# Altium PCB top_INA_v3.PcbDoc (part 2 of 5) (continued)
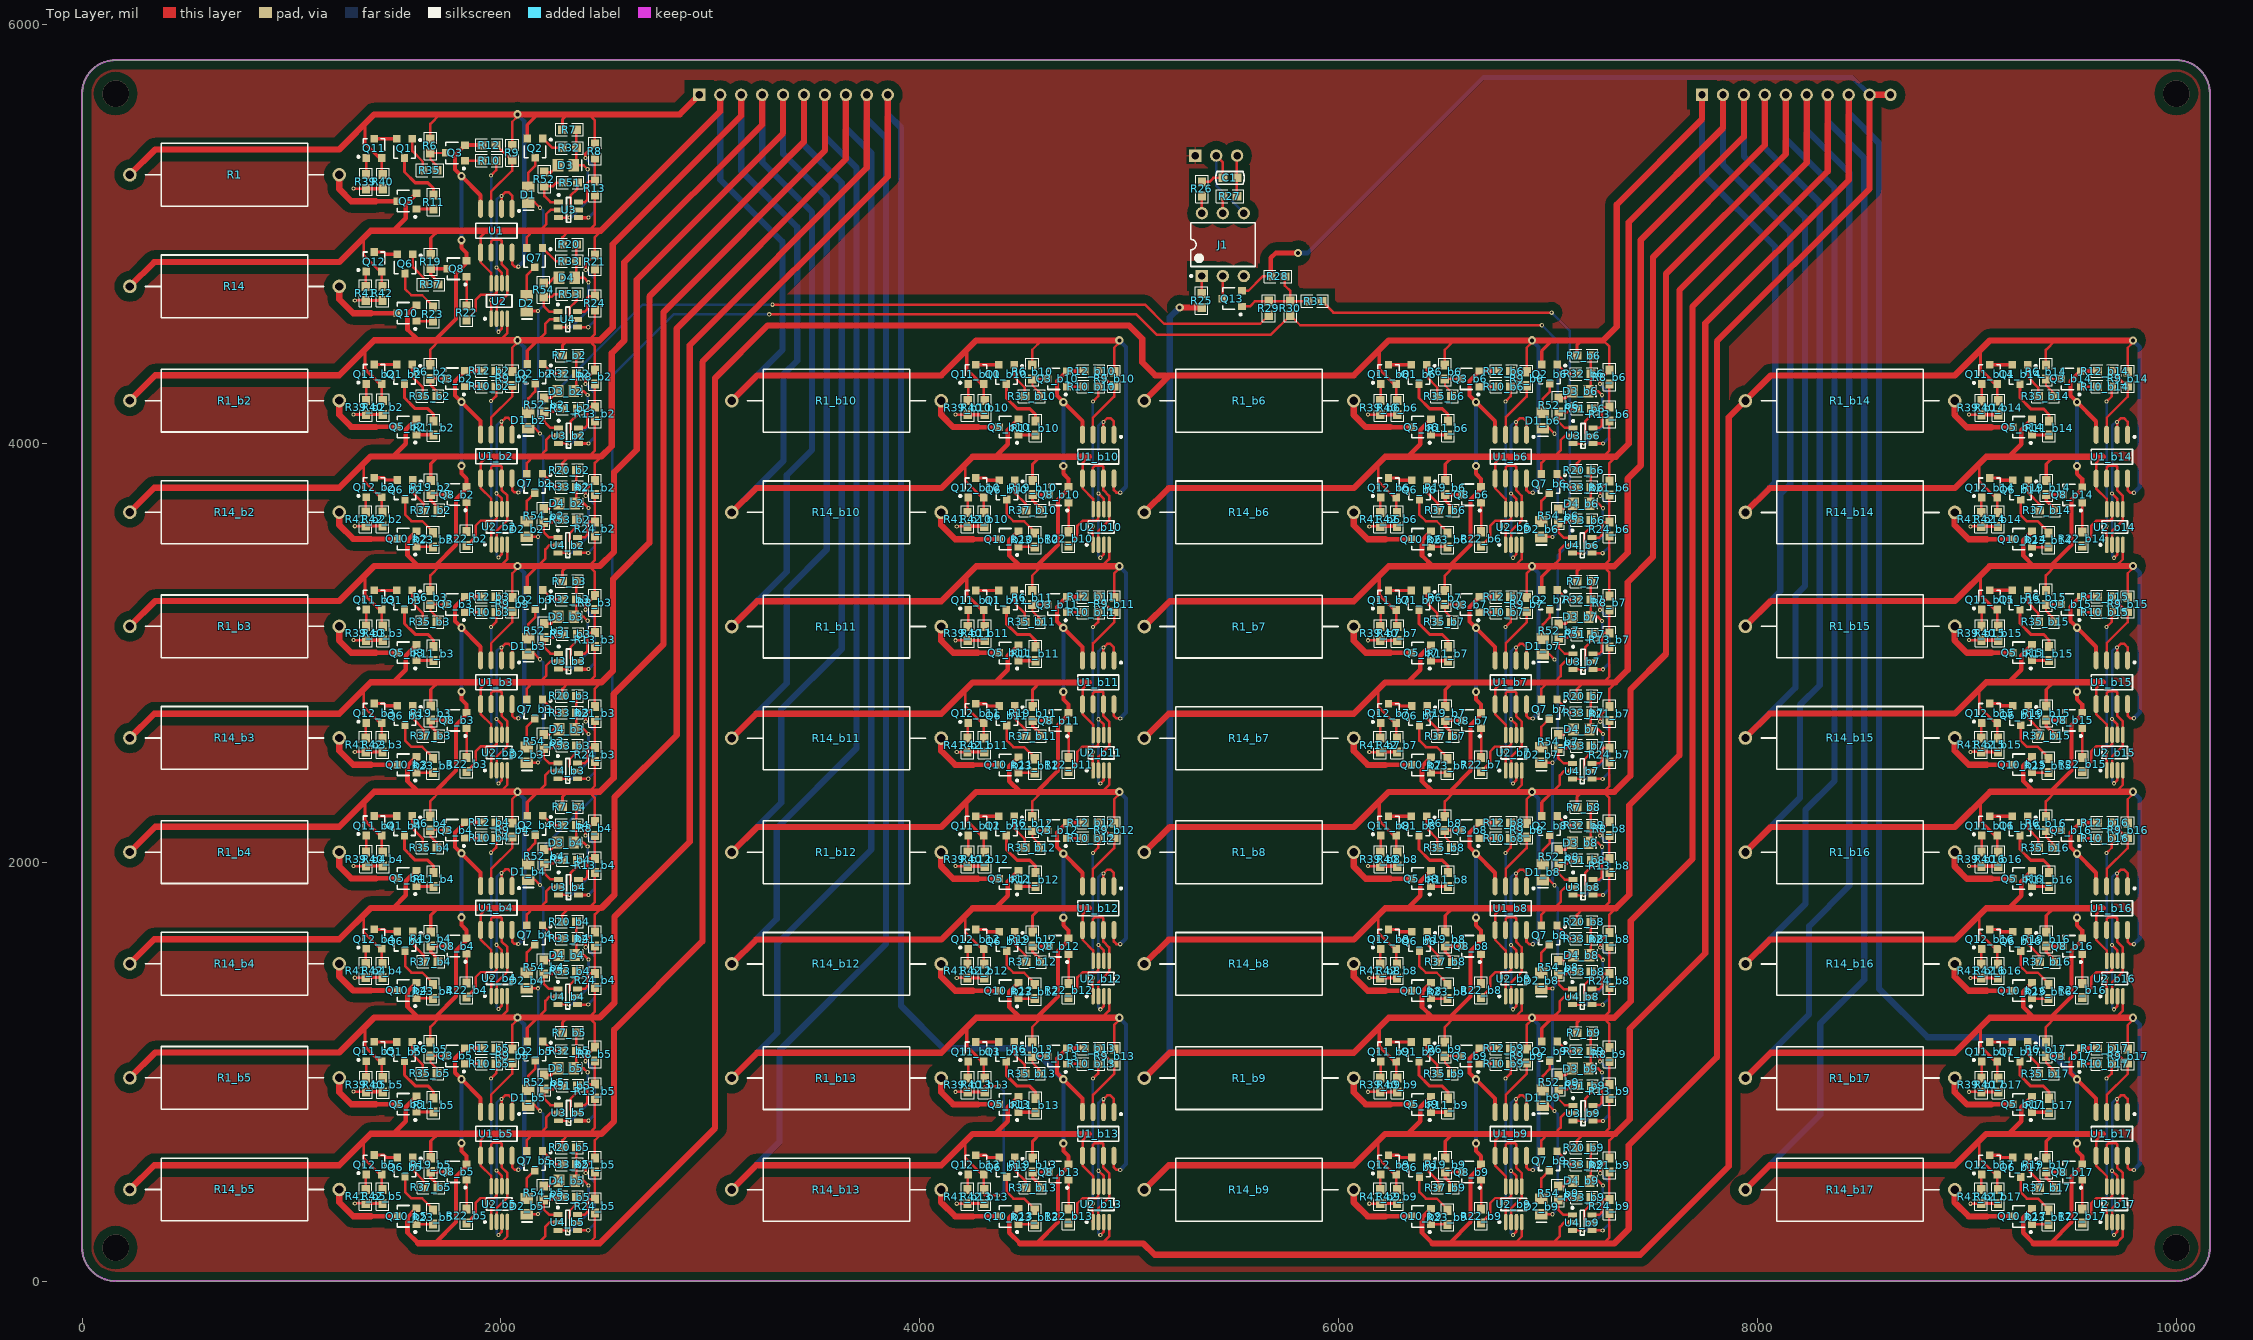
[diagram p0: Top Layer view]
## Nets (pads, with @x,y where several pads share a name; then routed paths per layer and width w, separated by ;. In a path a pad name is that pad's centre, name@x,y a point inside that pad or via, vN(x,y) a via of type N, cw(c..) or ccw(c..) an arc to the next point about the centre after c; other vN are vias at no path point) (continued)
  Top Layer w12: v1(4852.86,3760.61) 4878.65,3734.81 U2_b10.6@4878.65,3685.26 ; v1(4861.86,3453.61) 4878.65,3470.4 U2_b10.3@4878.65,3515.96 U2_b10.3@4879.39,3516.7 ; U1_b10.2@4876.86,4041.1 v1(4876.86,4102.61) 4894.86,4120.61 4909.86,4120.61 4926.86,4103.61 U1_b10.1@4926.86,4041.1
  Bottom Layer w12: v1(4861.86,3453.61) 4852.86,3462.61 v1(4852.86,3760.61) 4852.86,4084.61 4870.86,4102.61 v1(4876.86,4102.61)
G1_VC1_BUF_b11: U1_b11.1 U1_b11.2 U2_b11.3 U2_b11.6 | length 1011.1
  Top Layer w12: v1(4852.86,2682.61) 4878.65,2656.81 U2_b11.6@4878.65,2607.26 ; v1(4861.86,2375.61) 4878.65,2392.4 U2_b11.3@4878.65,2437.96 U2_b11.3@4879.39,2438.7 ; U1_b11.2@4876.86,2963.1 v1(4876.86,3024.61) 4894.86,3042.61 4909.86,3042.61 4926.86,3025.61 U1_b11.1@4926.86,2963.1
  Bottom Layer w12: v1(4861.86,2375.61) 4852.86,2384.61 v1(4852.86,2682.61) 4852.86,3006.61 4870.86,3024.61 v1(4876.86,3024.61)
G1_VC1_BUF_b12: U1_b12.1 U1_b12.2 U2_b12.3 U2_b12.6 | length 1011.1
  Top Layer w12: v1(4852.86,1604.61) 4878.65,1578.81 U2_b12.6@4878.65,1529.26 ; v1(4861.86,1297.61) 4878.65,1314.4 U2_b12.3@4878.65,1359.96 U2_b12.3@4879.39,1360.7 ; U1_b12.2@4876.86,1885.1 v1(4876.86,1946.61) 4894.86,1964.61 4909.86,1964.61 4926.86,1947.61 U1_b12.1@4926.86,1885.1
  Bottom Layer w12: v1(4861.86,1297.61) 4852.86,1306.61 v1(4852.86,1604.61) 4852.86,1928.61 4870.86,1946.61 v1(4876.86,1946.61)
G1_VC1_BUF_b13: U1_b13.1 U1_b13.2 U2_b13.3 U2_b13.6 | length 1011.1
  Top Layer w12: v1(4852.86,526.61) 4878.65,500.81 U2_b13.6@4878.65,451.26 ; v1(4861.86,219.61) 4878.65,236.4 U2_b13.3@4878.65,281.96 U2_b13.3@4879.39,282.7 ; U1_b13.2@4876.86,807.1 v1(4876.86,868.61) 4894.86,886.61 4909.86,886.61 4926.86,869.61 U1_b13.1@4926.86,807.1
  Bottom Layer w12: v1(4861.86,219.61) 4852.86,228.61 v1(4852.86,526.61) 4852.86,850.61 4870.86,868.61 v1(4876.86,868.61)
G1_VC1_BUF_b14: U1_b14.1 U1_b14.2 U2_b14.3 U2_b14.6 | length 1011.1
  Top Layer w12: v1(9692.86,3760.35) 9718.65,3734.55 U2_b14.6@9718.65,3685 ; v1(9701.86,3453.35) 9718.65,3470.14 U2_b14.3@9718.65,3515.7 U2_b14.3@9719.39,3516.44 ; U1_b14.2@9716.86,4040.84 v1(9716.86,4102.35) 9734.86,4120.35 9749.86,4120.35 9766.86,4103.35 U1_b14.1@9766.86,4040.84
  Bottom Layer w12: v1(9701.86,3453.35) 9692.86,3462.35 v1(9692.86,3760.35) 9692.86,4084.35 9710.86,4102.35 v1(9716.86,4102.35)
G1_VC1_BUF_b15: U1_b15.1 U1_b15.2 U2_b15.3 U2_b15.6 | length 1011.1
  Top Layer w12: v1(9692.86,2683.61) 9718.65,2657.81 U2_b15.6@9718.65,2608.26 ; v1(9701.86,2376.61) 9718.65,2393.4 U2_b15.3@9718.65,2438.96 U2_b15.3@9719.39,2439.7 ; U1_b15.2@9716.86,2964.1 v1(9716.86,3025.61) 9734.86,3043.61 9749.86,3043.61 9766.86,3026.61 U1_b15.1@9766.86,2964.1
  Bottom Layer w12: v1(9701.86,2376.61) 9692.86,2385.61 v1(9692.86,2683.61) 9692.86,3007.61 9710.86,3025.61 v1(9716.86,3025.61)
G1_VC1_BUF_b16: U1_b16.1 U1_b16.2 U2_b16.3 U2_b16.6 | length 1011.1
  Top Layer w12: v1(9692.86,1604.61) 9718.65,1578.81 U2_b16.6@9718.65,1529.26 ; v1(9701.86,1297.61) 9718.65,1314.4 U2_b16.3@9718.65,1359.96 U2_b16.3@9719.39,1360.7 ; U1_b16.2@9716.86,1885.1 v1(9716.86,1946.61) 9734.86,1964.61 9749.86,1964.61 9766.86,1947.61 U1_b16.1@9766.86,1885.1
  Bottom Layer w12: v1(9701.86,1297.61) 9692.86,1306.61 v1(9692.86,1604.61) 9692.86,1928.61 9710.86,1946.61 v1(9716.86,1946.61)
G1_VC1_BUF_b17: U1_b17.1 U1_b17.2 U2_b17.3 U2_b17.6 | length 1011.1
  Top Layer w12: v1(9692.86,526.61) 9718.65,500.81 U2_b17.6@9718.65,451.26 ; v1(9701.86,219.61) 9718.65,236.4 U2_b17.3@9718.65,281.96 U2_b17.3@9719.39,282.7 ; U1_b17.2@9716.86,807.1 v1(9716.86,868.61) 9734.86,886.61 9749.86,886.61 9766.86,869.61 U1_b17.1@9766.86,807.1
  Bottom Layer w12: v1(9701.86,219.61) 9692.86,228.61 v1(9692.86,526.61) 9692.86,850.61 9710.86,868.61 v1(9716.86,868.61)
G1_VC1_DISCH: R10.2 U2.1 | length 765.4
  Top Layer w12: v1(1952.86,4683.61) 1952.86,4595.58 U2.1@1953.47,4594.96 ; v1(1952.86,5279.61) 1977.19,5303.94 R10.2@1977.19,5350.01
  Bottom Layer w12: v1(1952.86,4683.61) v1(1952.86,5279.61)
G1_VC1_DISCH_b2: R10_b2.2 U2_b2.1 | length 765.4
  Top Layer w12: v1(1952.87,3605.54) 1952.87,3517.5 U2_b2.1@1953.48,3516.89 ; v1(1952.87,4201.54) 1977.2,4225.87 R10_b2.2@1977.2,4271.94
  Bottom Layer w12: v1(1952.87,3605.54) v1(1952.87,4201.54)
G1_VC1_DISCH_b3: R10_b3.2 U2_b3.1 | length 765.4
  Top Layer w12: v1(1952.87,2527.54) 1952.87,2439.5 U2_b3.1@1953.48,2438.89 ; v1(1952.87,3123.54) 1977.2,3147.87 R10_b3.2@1977.2,3193.94
  Bottom Layer w12: v1(1952.87,2527.54) v1(1952.87,3123.54)
G1_VC1_DISCH_b4: R10_b4.2 U2_b4.1 | length 765.4
  Top Layer w12: v1(1952.87,1449.54) 1952.87,1361.5 U2_b4.1@1953.48,1360.89 ; v1(1952.87,2045.54) 1977.2,2069.87 R10_b4.2@1977.2,2115.94
  Bottom Layer w12: v1(1952.87,1449.54) v1(1952.87,2045.54)
G1_VC1_DISCH_b5: R10_b5.2 U2_b5.1 | length 765.4
  Top Layer w12: v1(1952.87,371.54) 1952.87,283.5 U2_b5.1@1953.48,282.89 ; v1(1952.87,967.54) 1977.2,991.87 R10_b5.2@1977.2,1037.94
  Bottom Layer w12: v1(1952.87,371.54) v1(1952.87,967.54)
G1_VC1_DISCH_b6: R10_b6.2 U2_b6.1 | length 765.4
  Top Layer w12: v1(6796.86,3604.61) 6796.86,3516.58 U2_b6.1@6797.47,3515.96 ; v1(6796.86,4200.61) 6821.19,4224.94 R10_b6.2@6821.19,4271.01
  Bottom Layer w12: v1(6796.86,3604.61) v1(6796.86,4200.61)
G1_VC1_DISCH_b7: R10_b7.2 U2_b7.1 | length 765.4
  Top Layer w12: v1(6796.86,2526.61) 6796.86,2438.58 U2_b7.1@6797.47,2437.96 ; v1(6796.86,3122.61) 6821.19,3146.94 R10_b7.2@6821.19,3193.01
  Bottom Layer w12: v1(6796.86,2526.61) v1(6796.86,3122.61)
G1_VC1_DISCH_b8: R10_b8.2 U2_b8.1 | length 765.4
  Top Layer w12: v1(6796.86,1448.61) 6796.86,1360.58 U2_b8.1@6797.47,1359.96 ; v1(6796.86,2044.61) 6821.19,2068.94 R10_b8.2@6821.19,2115.01
  Bottom Layer w12: v1(6796.86,1448.61) v1(6796.86,2044.61)
G1_VC1_DISCH_b9: R10_b9.2 U2_b9.1 | length 765.4
  Top Layer w12: v1(6796.86,370.61) 6796.86,282.58 U2_b9.1@6797.47,281.96 ; v1(6796.86,966.61) 6821.19,990.94 R10_b9.2@6821.19,1037.01
  Bottom Layer w12: v1(6796.86,370.61) v1(6796.86,966.61)
G1_VC1_DISCH_b10: R10_b10.2 U2_b10.1 | length 765.4
  Top Layer w12: v1(4826.86,3604.61) 4826.86,3516.58 U2_b10.1@4827.47,3515.96 ; v1(4826.86,4200.61) 4851.19,4224.94 R10_b10.2@4851.19,4271.01
  Bottom Layer w12: v1(4826.86,3604.61) v1(4826.86,4200.61)
G1_VC1_DISCH_b11: R10_b11.2 U2_b11.1 | length 765.4
  Top Layer w12: v1(4826.86,2526.61) 4826.86,2438.58 U2_b11.1@4827.47,2437.96 ; v1(4826.86,3122.61) 4851.19,3146.94 R10_b11.2@4851.19,3193.01
  Bottom Layer w12: v1(4826.86,2526.61) v1(4826.86,3122.61)
G1_VC1_DISCH_b12: R10_b12.2 U2_b12.1 | length 765.4
  Top Layer w12: v1(4826.86,1448.61) 4826.86,1360.58 U2_b12.1@4827.47,1359.96 ; v1(4826.86,2044.61) 4851.19,2068.94 R10_b12.2@4851.19,2115.01
  Bottom Layer w12: v1(4826.86,1448.61) v1(4826.86,2044.61)
G1_VC1_DISCH_b13: R10_b13.2 U2_b13.1 | length 765.4
  Top Layer w12: v1(4826.86,370.61) 4826.86,282.58 U2_b13.1@4827.47,281.96 ; v1(4826.86,966.61) 4851.19,990.94 R10_b13.2@4851.19,1037.01
  Bottom Layer w12: v1(4826.86,370.61) v1(4826.86,966.61)
G1_VC1_DISCH_b14: R10_b14.2 U2_b14.1 | length 765.4
  Top Layer w12: v1(9666.86,3604.35) 9666.86,3516.32 U2_b14.1@9667.47,3515.7 ; v1(9666.86,4200.35) 9691.19,4224.68 R10_b14.2@9691.19,4270.75
  Bottom Layer w12: v1(9666.86,3604.35) v1(9666.86,4200.35)
G1_VC1_DISCH_b15: R10_b15.2 U2_b15.1 | length 765.4
  Top Layer w12: v1(9666.86,2527.61) 9666.86,2439.58 U2_b15.1@9667.47,2438.96 ; v1(9666.86,3123.61) 9691.19,3147.94 R10_b15.2@9691.19,3194.01
  Bottom Layer w12: v1(9666.86,2527.61) v1(9666.86,3123.61)
G1_VC1_DISCH_b16: R10_b16.2 U2_b16.1 | length 765.4
  Top Layer w12: v1(9666.86,1448.61) 9666.86,1360.58 U2_b16.1@9667.47,1359.96 ; v1(9666.86,2044.61) 9691.19,2068.94 R10_b16.2@9691.19,2115.01
  Bottom Layer w12: v1(9666.86,1448.61) v1(9666.86,2044.61)
G1_VC1_DISCH_b17: R10_b17.2 U2_b17.1 | length 765.4
  Top Layer w12: v1(9666.86,370.61) 9666.86,282.58 U2_b17.1@9667.47,281.96 ; v1(9666.86,966.61) 9691.19,990.94 R10_b17.2@9691.19,1037.01
  Bottom Layer w12: v1(9666.86,370.61) v1(9666.86,966.61)
G1_VC1_VOL: R9.1 R12.2 U1.3 | length 381.5
  Top Layer w12: U1.3@1952.86,5120.1 1952.86,5201.61 2053.86,5302.61 R9.1@2053.86,5354.14 2047.06,5354.14 R12.2@1977.19,5424.01
G1_VC1_VOL_b2: R9_b2.1 R12_b2.2 U1_b2.3 | length 381.5
  Top Layer w12: U1_b2.3@1952.87,4042.02 1952.87,4123.54 2053.87,4224.54 R9_b2.1@2053.87,4276.07 2047.06,4276.07 R12_b2.2@1977.2,4345.94
G1_VC1_VOL_b3: R9_b3.1 R12_b3.2 U1_b3.3 | length 381.5
  Top Layer w12: U1_b3.3@1952.87,2964.02 1952.87,3045.54 2053.87,3146.54 R9_b3.1@2053.87,3198.07 2047.06,3198.07 R12_b3.2@1977.2,3267.94
G1_VC1_VOL_b4: R9_b4.1 R12_b4.2 U1_b4.3 | length 381.5
  Top Layer w12: U1_b4.3@1952.87,1886.02 1952.87,1967.54 2053.87,2068.54 R9_b4.1@2053.87,2120.07 2047.06,2120.07 R12_b4.2@1977.2,2189.94
G1_VC1_VOL_b5: R9_b5.1 R12_b5.2 U1_b5.3 | length 381.5
  Top Layer w12: U1_b5.3@1952.87,808.02 1952.87,889.54 2053.87,990.54 R9_b5.1@2053.87,1042.07 2047.06,1042.07 R12_b5.2@1977.2,1111.94
G1_VC1_VOL_b6: R9_b6.1 R12_b6.2 U1_b6.3 | length 381.5
  Top Layer w12: U1_b6.3@6796.86,4041.1 6796.86,4122.61 6897.86,4223.61 R9_b6.1@6897.86,4275.14 6891.06,4275.14 R12_b6.2@6821.19,4345.01
G1_VC1_VOL_b7: R9_b7.1 R12_b7.2 U1_b7.3 | length 381.5
  Top Layer w12: U1_b7.3@6796.86,2963.1 6796.86,3044.61 6897.86,3145.61 R9_b7.1@6897.86,3197.14 6891.06,3197.14 R12_b7.2@6821.19,3267.01
G1_VC1_VOL_b8: R9_b8.1 R12_b8.2 U1_b8.3 | length 381.5
  Top Layer w12: U1_b8.3@6796.86,1885.1 6796.86,1966.61 6897.86,2067.61 R9_b8.1@6897.86,2119.14 6891.06,2119.14 R12_b8.2@6821.19,2189.01
G1_VC1_VOL_b9: R9_b9.1 R12_b9.2 U1_b9.3 | length 381.5
  Top Layer w12: U1_b9.3@6796.86,807.1 6796.86,888.61 6897.86,989.61 R9_b9.1@6897.86,1041.14 6891.06,1041.14 R12_b9.2@6821.19,1111.01
G1_VC1_VOL_b10: R9_b10.1 R12_b10.2 U1_b10.3 | length 381.5
  Top Layer w12: U1_b10.3@4826.86,4041.1 4826.86,4122.61 4927.86,4223.61 R9_b10.1@4927.86,4275.14 4921.06,4275.14 R12_b10.2@4851.19,4345.01
G1_VC1_VOL_b11: R9_b11.1 R12_b11.2 U1_b11.3 | length 381.5
  Top Layer w12: U1_b11.3@4826.86,2963.1 4826.86,3044.61 4927.86,3145.61 R9_b11.1@4927.86,3197.14 4921.06,3197.14 R12_b11.2@4851.19,3267.01
G1_VC1_VOL_b12: R9_b12.1 R12_b12.2 U1_b12.3 | length 381.5
  Top Layer w12: U1_b12.3@4826.86,1885.1 4826.86,1966.61 4927.86,2067.61 R9_b12.1@4927.86,2119.14 4921.06,2119.14 R12_b12.2@4851.19,2189.01
G1_VC1_VOL_b13: R9_b13.1 R12_b13.2 U1_b13.3 | length 381.5
  Top Layer w12: U1_b13.3@4826.86,807.1 4826.86,888.61 4927.86,989.61 R9_b13.1@4927.86,1041.14 4921.06,1041.14 R12_b13.2@4851.19,1111.01
G1_VC1_VOL_b14: R9_b14.1 R12_b14.2 U1_b14.3 | length 381.5
  Top Layer w12: U1_b14.3@9666.86,4040.84 9666.86,4122.35 9767.86,4223.35 R9_b14.1@9767.86,4274.89 9761.06,4274.89 R12_b14.2@9691.19,4344.75
G1_VC1_VOL_b15: R9_b15.1 R12_b15.2 U1_b15.3 | length 381.5
  Top Layer w12: U1_b15.3@9666.86,2964.1 9666.86,3045.61 9767.86,3146.61 R9_b15.1@9767.86,3198.14 9761.06,3198.14 R12_b15.2@9691.19,3268.01
G1_VC1_VOL_b16: R9_b16.1 R12_b16.2 U1_b16.3 | length 381.5
  Top Layer w12: U1_b16.3@9666.86,1885.1 9666.86,1966.61 9767.86,2067.61 R9_b16.1@9767.86,2119.14 9761.06,2119.14 R12_b16.2@9691.19,2189.01
G1_VC1_VOL_b17: R9_b17.1 R12_b17.2 U1_b17.3 | length 381.5
  Top Layer w12: U1_b17.3@9666.86,807.1 9666.86,888.61 9767.86,989.61 R9_b17.1@9767.86,1041.14 9761.06,1041.14 R12_b17.2@9691.19,1111.01
G1_VC2_BUF: U1.6 U1.7 U2.2 U2.5 | length 512.1
  Top Layer w12: U1.6@1952.86,4911.12 1952.86,4963.61 1960.86,4971.61 1997.86,4971.61 2002.86,4966.61 U1.7@2002.86,4911.12 2002.86,4855.61 2030.24,4828.22 U2.5@2030.24,4764.26 2030.24,4711 1979.06,4659.81 U2.2@1979.06,4594.96
G1_VC2_BUF_b2: U1_b2.6 U1_b2.7 U2_b2.2 U2_b2.5 | length 512.1
  Top Layer w12: U1_b2.6@1952.87,3833.05 1952.87,3885.54 1960.87,3893.54 1997.87,3893.54 2002.87,3888.54 U1_b2.7@2002.87,3833.05 2002.87,3777.54 2030.25,3750.15 U2_b2.5@2030.25,3686.18 2030.25,3632.92 1979.07,3581.74 U2_b2.2@1979.07,3516.89
G1_VC2_BUF_b3: U1_b3.6 U1_b3.7 U2_b3.2 U2_b3.5 | length 512.1
  Top Layer w12: U1_b3.6@1952.87,2755.05 1952.87,2807.54 1960.87,2815.54 1997.87,2815.54 2002.87,2810.54 U1_b3.7@2002.87,2755.05 2002.87,2699.54 2030.25,2672.15 U2_b3.5@2030.25,2608.18 2030.25,2554.92 1979.07,2503.74 U2_b3.2@1979.07,2438.89
G1_VC2_BUF_b4: U1_b4.6 U1_b4.7 U2_b4.2 U2_b4.5 | length 512.1
  Top Layer w12: U1_b4.6@1952.87,1677.05 1952.87,1729.54 1960.87,1737.54 1997.87,1737.54 2002.87,1732.54 U1_b4.7@2002.87,1677.05 2002.87,1621.54 2030.25,1594.15 U2_b4.5@2030.25,1530.18 2030.25,1476.92 1979.07,1425.74 U2_b4.2@1979.07,1360.89
G1_VC2_BUF_b5: U1_b5.6 U1_b5.7 U2_b5.2 U2_b5.5 | length 512.1
  Top Layer w12: U1_b5.6@1952.87,599.05 1952.87,651.54 1960.87,659.54 1997.87,659.54 2002.87,654.54 U1_b5.7@2002.87,599.05 2002.87,543.54 2030.25,516.15 U2_b5.5@2030.25,452.18 2030.25,398.92 1979.07,347.74 U2_b5.2@1979.07,282.89
G1_VC2_BUF_b6: U1_b6.6 U1_b6.7 U2_b6.2 U2_b6.5 | length 512.1
  Top Layer w12: U1_b6.6@6796.86,3832.12 6796.86,3884.61 6804.86,3892.61 6841.86,3892.61 6846.86,3887.61 U1_b6.7@6846.86,3832.12 6846.86,3776.61 6874.24,3749.22 U2_b6.5@6874.24,3685.26 6874.24,3632 6823.06,3580.81 U2_b6.2@6823.06,3515.96
G1_VC2_BUF_b7: U1_b7.6 U1_b7.7 U2_b7.2 U2_b7.5 | length 512.1
  Top Layer w12: U1_b7.6@6796.86,2754.12 6796.86,2806.61 6804.86,2814.61 6841.86,2814.61 6846.86,2809.61 U1_b7.7@6846.86,2754.12 6846.86,2698.61 6874.24,2671.22 U2_b7.5@6874.24,2607.26 6874.24,2554 6823.06,2502.81 U2_b7.2@6823.06,2437.96
G1_VC2_BUF_b8: U1_b8.6 U1_b8.7 U2_b8.2 U2_b8.5 | length 512.1
  Top Layer w12: U1_b8.6@6796.86,1676.12 6796.86,1728.61 6804.86,1736.61 6841.86,1736.61 6846.86,1731.61 U1_b8.7@6846.86,1676.12 6846.86,1620.61 6874.24,1593.22 U2_b8.5@6874.24,1529.26 6874.24,1476 6823.06,1424.81 U2_b8.2@6823.06,1359.96
G1_VC2_BUF_b9: U1_b9.6 U1_b9.7 U2_b9.2 U2_b9.5 | length 512.1
  Top Layer w12: U1_b9.6@6796.86,598.12 6796.86,650.61 6804.86,658.61 6841.86,658.61 6846.86,653.61 U1_b9.7@6846.86,598.12 6846.86,542.61 6874.24,515.22 U2_b9.5@6874.24,451.26 6874.24,398 6823.06,346.81 U2_b9.2@6823.06,281.96
G1_VC2_BUF_b10: U1_b10.6 U1_b10.7 U2_b10.2 U2_b10.5 | length 512.1
  Top Layer w12: U1_b10.6@4826.86,3832.12 4826.86,3884.61 4834.86,3892.61 4871.86,3892.61 4876.86,3887.61 U1_b10.7@4876.86,3832.12 4876.86,3776.61 4904.24,3749.22 U2_b10.5@4904.24,3685.26 4904.24,3632 4853.06,3580.81 U2_b10.2@4853.06,3515.96
G1_VC2_BUF_b11: U1_b11.6 U1_b11.7 U2_b11.2 U2_b11.5 | length 512.1
  Top Layer w12: U1_b11.6@4826.86,2754.12 4826.86,2806.61 4834.86,2814.61 4871.86,2814.61 4876.86,2809.61 U1_b11.7@4876.86,2754.12 4876.86,2698.61 4904.24,2671.22 U2_b11.5@4904.24,2607.26 4904.24,2554 4853.06,2502.81 U2_b11.2@4853.06,2437.96
G1_VC2_BUF_b12: U1_b12.6 U1_b12.7 U2_b12.2 U2_b12.5 | length 512.1
  Top Layer w12: U1_b12.6@4826.86,1676.12 4826.86,1728.61 4834.86,1736.61 4871.86,1736.61 4876.86,1731.61 U1_b12.7@4876.86,1676.12 4876.86,1620.61 4904.24,1593.22 U2_b12.5@4904.24,1529.26 4904.24,1476 4853.06,1424.81 U2_b12.2@4853.06,1359.96
G1_VC2_BUF_b13: U1_b13.6 U1_b13.7 U2_b13.2 U2_b13.5 | length 512.1
  Top Layer w12: U1_b13.6@4826.86,598.12 4826.86,650.61 4834.86,658.61 4871.86,658.61 4876.86,653.61 U1_b13.7@4876.86,598.12 4876.86,542.61 4904.24,515.22 U2_b13.5@4904.24,451.26 4904.24,398 4853.06,346.81 U2_b13.2@4853.06,281.96
G1_VC2_BUF_b14: U1_b14.6 U1_b14.7 U2_b14.2 U2_b14.5 | length 512.1
  Top Layer w12: U1_b14.6@9666.86,3831.86 9666.86,3884.35 9674.86,3892.35 9711.86,3892.35 9716.86,3887.35 U1_b14.7@9716.86,3831.86 9716.86,3776.35 9744.24,3748.96 U2_b14.5@9744.24,3685 9744.24,3631.74 9693.06,3580.55 U2_b14.2@9693.06,3515.7
G1_VC2_BUF_b15: U1_b15.6 U1_b15.7 U2_b15.2 U2_b15.5 | length 512.1
  Top Layer w12: U1_b15.6@9666.86,2755.12 9666.86,2807.61 9674.86,2815.61 9711.86,2815.61 9716.86,2810.61 U1_b15.7@9716.86,2755.12 9716.86,2699.61 9744.24,2672.22 U2_b15.5@9744.24,2608.26 9744.24,2555 9693.06,2503.81 U2_b15.2@9693.06,2438.96
G1_VC2_BUF_b16: U1_b16.6 U1_b16.7 U2_b16.2 U2_b16.5 | length 512.1
  Top Layer w12: U1_b16.6@9666.86,1676.12 9666.86,1728.61 9674.86,1736.61 9711.86,1736.61 9716.86,1731.61 U1_b16.7@9716.86,1676.12 9716.86,1620.61 9744.24,1593.22 U2_b16.5@9744.24,1529.26 9744.24,1476 9693.06,1424.81 U2_b16.2@9693.06,1359.96
G1_VC2_BUF_b17: U1_b17.6 U1_b17.7 U2_b17.2 U2_b17.5 | length 512.1
  Top Layer w12: U1_b17.6@9666.86,598.12 9666.86,650.61 9674.86,658.61 9711.86,658.61 9716.86,653.61 U1_b17.7@9716.86,598.12 9716.86,542.61 9744.24,515.22 U2_b17.5@9744.24,451.26 9744.24,398 9693.06,346.81 U2_b17.2@9693.06,281.96
G1_VC2_DISCH: R22.1 U2.7 | length 271.5
  Top Layer w12: R22.1@1835.86,4590.14 1878.86,4633.14 1878.86,4684.61 1902.86,4708.61 1967.86,4708.61 1979.06,4719.81 U2.7@1979.06,4764.26
G1_VC2_DISCH_b2: R22_b2.1 U2_b2.7 | length 271.5
  Top Layer w12: R22_b2.1@1835.87,3512.07 1878.87,3555.07 1878.87,3606.54 1902.87,3630.54 1967.87,3630.54 1979.07,3641.74 U2_b2.7@1979.07,3686.18
G1_VC2_DISCH_b3: R22_b3.1 U2_b3.7 | length 271.5
  Top Layer w12: R22_b3.1@1835.87,2434.07 1878.87,2477.07 1878.87,2528.54 1902.87,2552.54 1967.87,2552.54 1979.07,2563.74 U2_b3.7@1979.07,2608.18
G1_VC2_DISCH_b4: R22_b4.1 U2_b4.7 | length 271.5
  Top Layer w12: R22_b4.1@1835.87,1356.07 1878.87,1399.07 1878.87,1450.54 1902.87,1474.54 1967.87,1474.54 1979.07,1485.74 U2_b4.7@1979.07,1530.18
G1_VC2_DISCH_b5: R22_b5.1 U2_b5.7 | length 271.5
  Top Layer w12: R22_b5.1@1835.87,278.07 1878.87,321.07 1878.87,372.54 1902.87,396.54 1967.87,396.54 1979.07,407.74 U2_b5.7@1979.07,452.18
G1_VC2_DISCH_b6: R22_b6.1 U2_b6.7 | length 271.5
  Top Layer w12: R22_b6.1@6679.86,3511.14 6722.86,3554.14 6722.86,3605.61 6746.86,3629.61 6811.86,3629.61 6823.06,3640.81 U2_b6.7@6823.06,3685.26
G1_VC2_DISCH_b7: R22_b7.1 U2_b7.7 | length 271.5
  Top Layer w12: R22_b7.1@6679.86,2433.14 6722.86,2476.14 6722.86,2527.61 6746.86,2551.61 6811.86,2551.61 6823.06,2562.81 U2_b7.7@6823.06,2607.26
G1_VC2_DISCH_b8: R22_b8.1 U2_b8.7 | length 271.5
  Top Layer w12: R22_b8.1@6679.86,1355.14 6722.86,1398.14 6722.86,1449.61 6746.86,1473.61 6811.86,1473.61 6823.06,1484.81 U2_b8.7@6823.06,1529.26
G1_VC2_DISCH_b9: R22_b9.1 U2_b9.7 | length 271.5
  Top Layer w12: R22_b9.1@6679.86,277.14 6722.86,320.14 6722.86,371.61 6746.86,395.61 6811.86,395.61 6823.06,406.81 U2_b9.7@6823.06,451.26
G1_VC2_DISCH_b10: R22_b10.1 U2_b10.7 | length 271.5
  Top Layer w12: R22_b10.1@4709.86,3511.14 4752.86,3554.14 4752.86,3605.61 4776.86,3629.61 4841.86,3629.61 4853.06,3640.81 U2_b10.7@4853.06,3685.26
G1_VC2_DISCH_b11: R22_b11.1 U2_b11.7 | length 271.5
  Top Layer w12: R22_b11.1@4709.86,2433.14 4752.86,2476.14 4752.86,2527.61 4776.86,2551.61 4841.86,2551.61 4853.06,2562.81 U2_b11.7@4853.06,2607.26
G1_VC2_DISCH_b12: R22_b12.1 U2_b12.7 | length 271.5
  Top Layer w12: R22_b12.1@4709.86,1355.14 4752.86,1398.14 4752.86,1449.61 4776.86,1473.61 4841.86,1473.61 4853.06,1484.81 U2_b12.7@4853.06,1529.26
G1_VC2_DISCH_b13: R22_b13.1 U2_b13.7 | length 271.5
  Top Layer w12: R22_b13.1@4709.86,277.14 4752.86,320.14 4752.86,371.61 4776.86,395.61 4841.86,395.61 4853.06,406.81 U2_b13.7@4853.06,451.26
G1_VC2_DISCH_b14: R22_b14.1 U2_b14.7 | length 271.5
  Top Layer w12: R22_b14.1@9549.86,3510.88 9592.86,3553.88 9592.86,3605.35 9616.86,3629.35 9681.86,3629.35 9693.06,3640.55 U2_b14.7@9693.06,3685
G1_VC2_DISCH_b15: R22_b15.1 U2_b15.7 | length 271.5
  Top Layer w12: R22_b15.1@9549.86,2434.14 9592.86,2477.14 9592.86,2528.61 9616.86,2552.61 9681.86,2552.61 9693.06,2563.81 U2_b15.7@9693.06,2608.26
G1_VC2_DISCH_b16: R22_b16.1 U2_b16.7 | length 271.5
  Top Layer w12: R22_b16.1@9549.86,1355.14 9592.86,1398.14 9592.86,1449.61 9616.86,1473.61 9681.86,1473.61 9693.06,1484.81 U2_b16.7@9693.06,1529.26
G1_VC2_DISCH_b17: R22_b17.1 U2_b17.7 | length 271.5
  Top Layer w12: R22_b17.1@9549.86,277.14 9592.86,320.14 9592.86,371.61 9616.86,395.61 9681.86,395.61 9693.06,406.81 U2_b17.7@9693.06,451.26
IN_A0: P1.1 Q2.2 Q11.2 R1.2 R6.2 R7.2 R8.2 R9.2 R40.1 U1.8 U3.4 | length 5097.6
  Top Layer w12: Q11.2@1431.39,5362.07 1431.39,5287.4 R40.1@1435.99,5282.8 ; R6.2@1662.86,5453.54 1662.86,5525.86 1707.61,5570.61 ; U1.8@2052.86,4911.12 2052.86,4855.61 2064.86,4843.61 v1(2082.86,4843.61) ; R9.2@2053.86,5421.07 2053.86,5535.61 2078.86,5560.61 v2(2078.86,5570.61) ; 2419.24,5570.61 2448.86,5540.99 R8.2@2448.86,5429.07 R8.2@2448.39,5428.61
  Top Layer w15: 1349.99,5519.86 1349.99,5433.89 Q11.2@1421.81,5362.07 ; Q2.2@2125.6,5456.26 2125.6,5520.6 2175.61,5570.61 2176,5570.61 ; R7.2@2293.54,5498 2293.54,5547.14 2314,5567.61 ; U3.4@2370.24,5077.6 2417.6,5077.6 v1(2418,5078) ; v1(2404,5362) 2404,5384.22 R8.2@2448.39,5428.61
  Top Layer w20: Q11.2@1421.81,5362.07 Q11.2@1431.39,5362.07
  Top Layer w30: R1.2@227.99,5282.33 349.02,5403.36 1227.99,5403.36 1395.24,5570.61 1707.61,5570.61 v2(2078.86,5570.61) ; v2@2088.86,5570.61 2175.61,5570.61 ; 2176,5570.61 2419.24,5570.61 2853.53,5570.61 P1.1@2946.99,5664.07
  Bottom Layer w15: v1(2404,5362) 2447,5319 2447,5107 v1(2418,5078)
  Bottom Layer w20: v2(2078.86,5570.61) 2110.86,5538.61 2110.86,4871.61 v1(2082.86,4843.61)
IN_A1: P1.3 Q2_b2.2 Q3.2 Q5_b10.2 Q8.2 Q10.2 Q11_b2.2 Q12_b10.2 R1_b2.2 R6_b2.2 R7_b2.2 R8_b2.2 R9_b2.2 R12.1 R14_b10.2 R19_b10.2 R24.1 R40_b2.1 R42_b10.1 U1.4 U1_b2.8 U1_b10.5 U2.4 U2_b10.8 U3_b2.4 U4.2 | length 13758.6
  Top Layer w12: Q11_b2.2@1431.4,4284 1431.4,4209.32 R40_b2.1@1436,4204.72 ; R6_b2.2@1662.87,4375.46 1662.87,4447.79 1707.61,4492.54 ; 1996.79,4492.54 2030.24,4526 U2.4@2030.24,4594.96 ; U1_b2.8@2052.87,3833.05 2052.87,3777.54 2064.87,3765.54 v1(2082.87,3765.54) ; R9_b2.2@2053.87,4343 2053.87,4457.54 2078.87,4482.54 v2(2078.87,4492.54) ; 2177,4492.54 2212,4527.54 2212,4572 2232,4592 U4.2@2271.76,4592 ; 2419.25,4492.54 2448.87,4462.92 R8_b2.2@2448.87,4351 R8_b2.2@2448.4,4350.54 ; 2420.17,4492.54 2448.86,4521.22 R24.1@2448.86,4636.14 ; 4217.99,3901.11 4217.99,3821.33 4297.25,3742.07 Q12_b10.2@4305.39,3742.07 4305.39,3673.4 R42_b10.1@4307.99,3670.8 ; 4807.86,3936.61 4776.86,3905.61 U1_b10.5@4776.86,3832.12 4776.86,3785.61 4827.47,3735 U2_b10.8@4827.47,3685.26
  Top Layer w15: 1350,4441.79 1350,4355.82 Q11_b2.2@1421.82,4284 ; Q2_b2.2@2125.61,4378.19 2125.61,4442.52 2175.62,4492.54 2176.01,4492.54 ; R7_b2.2@2293.54,4419.93 2293.54,4469.07 2314.01,4489.54 ; U3_b2.4@2370.25,3999.52 2417.61,3999.52 v1(2418.01,3999.93) ; v1(2404.01,4283.93) 2404.01,4306.14 R8_b2.2@2448.4,4350.54 ; R19_b10.2@4538.86,3822.07 4538.86,3901.61 4573.86,3936.61 4577.86,3936.61
  Top Layer w20: Q11_b2.2@1421.82,4284 Q11_b2.2@1431.4,4284 ; 1686.86,4495.14 1785.86,4594.14 1785.86,4811.17 1836.12,4861.43 Q8.2@1836.12,4871.01 1836.12,4909.35 1811.72,4933.74 v2(1811.72,4970.61) ; U1.4@1902.86,5120.1 1902.86,5184.88 v2(1811.72,5276.01) 1780.72,5307.01 1780.72,5376.15 Q3.2@1828.98,5424.41 R12.1@1909.86,5424.41
  Top Layer w22: Q10.2@1597.12,4659.01 1553.86,4615.75 1553.86,4543.61 1604.93,4492.54 ; 4359.86,3936.61 4419.86,3996.61 4419.86,4063.75 Q5_b10.2@4471.12,4115.01
  Top Layer w30: R1_b2.2@228,4204.26 349.02,4325.28 1228,4325.28 1395.25,4492.54 1707.61,4492.54 v2(2078.87,4492.54) ; 1604.93,4492.54 1996.79,4492.54 2177,4492.54 2420.17,4492.54 2471.99,4492.54 2533.99,4554.54 2533.99,4950.65 3146.99,5563.65 P1.3@3146.99,5664.07 ; v2@2088.87,4492.54 2175.62,4492.54 ; 2176.01,4492.54 2419.25,4492.54 ; R14_b10.2@3101.99,3670.33 3218.27,3786.61 4101.99,3786.61 4251.99,3936.61 4359.86,3936.61 4573.86,3936.61 ; 4577.86,3936.61 4807.86,3936.61
  Bottom Layer w15: v1(2404.01,4283.93) 2447.01,4240.93 2447.01,4028.93 v1(2418.01,3999.93)
  Bottom Layer w20: v2(1811.72,4970.61) v2(1811.72,5276.01) ; v2(2078.87,4492.54) 2110.87,4460.54 2110.87,3793.54 v1(2082.87,3765.54)
  Bottom Layer w30: R14_b10.2@3101.99,3670.33 3348.99,3917.33 3348.99,4329.34 3414.73,4395.07 3414.73,5032.81 3146.99,5300.55 P1.3@3146.99,5664.07